# KiCad board Sepic.kicad_pcb
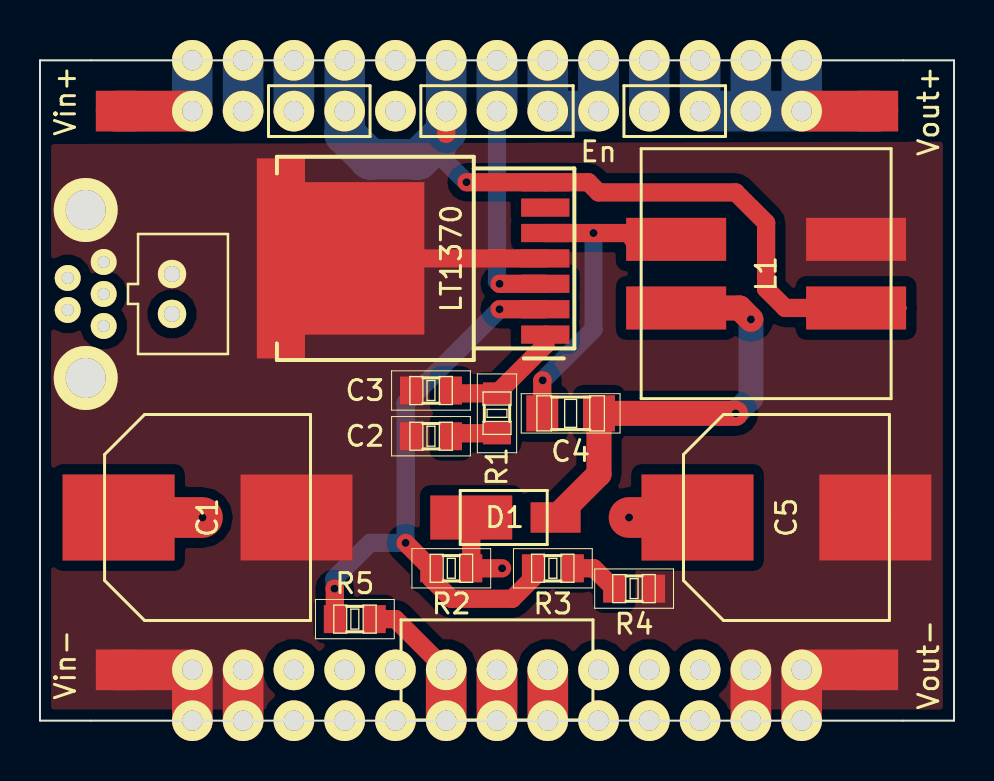
[diagram p0: board, top side]
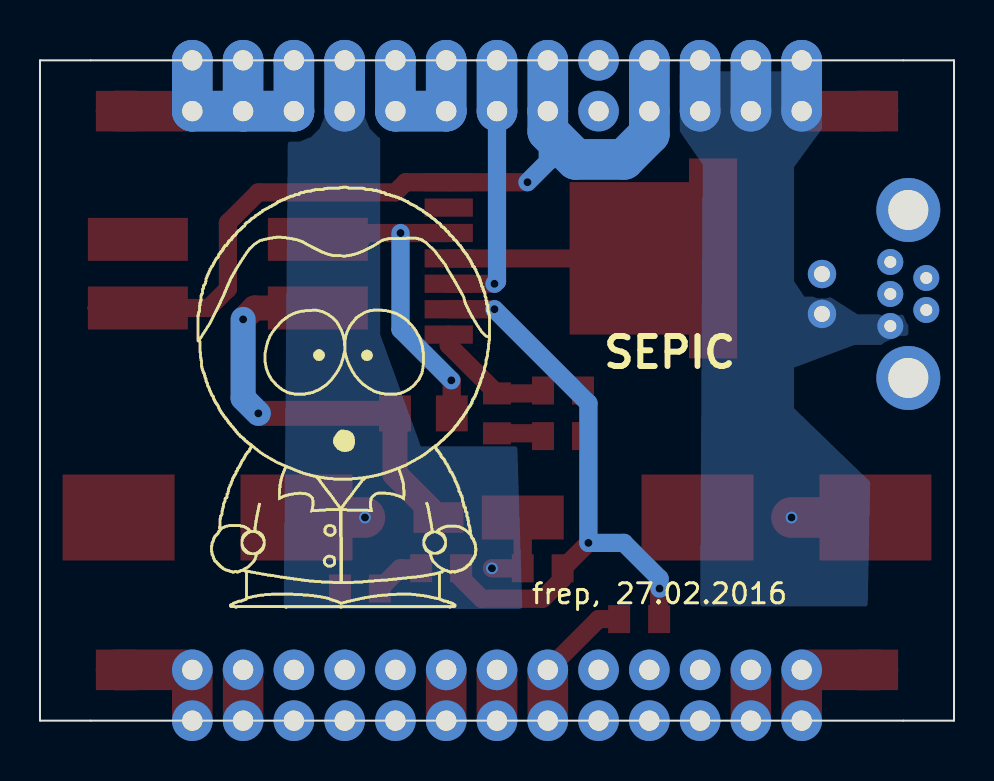
[diagram p1: board, bottom side, seen from below]

Outline 45.72 x 33.02 mm; copper layers: Top, Bottom. Coordinates in mm from the lower left corner of the outline.
Outline path: 0,33.02 45.72,33.02 45.72,0 0,0 0,33.02

## Placement (name value [footprint] x y rotation side)
20K1  POT  [Trimmer]  22.86 2.54 0 top
20K2  POT  [Trimmer]  22.86 0 0 top
C1  100uF  [Cap_Nichicon]  8.38 10.16 90 top
C2  470nF  [C0805]  19.56 14.22 180 top
C3  4n7F  [C0805]  19.56 16.51 180 top
C4  4u7F  [R1206]  26.54 15.37 180 top
C5  100uF  [Cap_Nichicon]  37.34 10.16 90 top
CON1  USB-MINI-B-Vert  [Vertical_USB_Mini_B]  2.29 21.34 0 top
D1  V8PAN50-M3  [DO-221BC]  23.62 10.16 0 top
JP1  JUMPER3  [Pin_Proto_Straight_1x03]  22.86 30.48 180 top
JP2  JUMPER3  [Pin_Proto_Straight_1x03]  22.86 33.02 180 top
L1  22uH  [InductorsCoupled]  36.32 22.35 90 top
LOGO3  -  [LOGO3]  39.75 27.94 180 bottom
P1  V_in+  [SMD_SOLDERPOINT]  3.81 30.48 0 top
P2  GND  [Pin_Proto_Straight_1x01]  7.62 2.54 0 top
P3  JST_In  [JST-PH-2-THM]  6.6 21.34 270 top
P4  V_in+  [Pin_Proto_Straight_1x01]  7.62 30.48 0 top
P5  V_in+  [Pin_Proto_Straight_1x01]  12.7 30.48 0 top
P6  V_in-  [Pin_Proto_Straight_1x01]  15.24 30.48 0 top
P7  V_in+  [Pin_Proto_Straight_1x01]  10.16 30.48 0 top
P8  V_out+  [SMD_SOLDERPOINT]  41.91 30.48 0 top
P9  GND  [SMD_SOLDERPOINT]  41.91 2.54 0 top
P10  V_out+  [Pin_Proto_Straight_1x01]  30.48 30.48 0 top
P11  V_out-  [Pin_Proto_Straight_1x01]  33.02 30.48 0 top
P12  GND  [Pin_Proto_Straight_1x01]  10.16 2.54 0 top
P13  GND  [Pin_Proto_Straight_1x01]  10.16 0 0 top
P14  GND  [SMD_SOLDERPOINT]  3.81 2.54 0 top
P15  V_in+  [Pin_Proto_Straight_1x01]  7.62 33.02 0 top
P16  V_in+  [Pin_Proto_Straight_1x01]  10.16 33.02 0 top
P17  GND  [Pin_Proto_Straight_1x01]  35.56 2.54 0 top
P18  V_in+  [Pin_Proto_Straight_1x01]  12.7 33.02 0 top
P19  V_in-  [Pin_Proto_Straight_1x01]  15.24 33.02 0 top
P20  V_out+  [Pin_Proto_Straight_1x01]  30.48 33.02 0 top
P21  V_out-  [Pin_Proto_Straight_1x01]  35.56 33.02 0 top
P22  V_out+  [Pin_Proto_Straight_1x01]  38.1 33.02 0 top
P23  V_out+  [Pin_Proto_Straight_1x01]  33.02 33.02 0 top
P24  GND  [Pin_Proto_Straight_1x01]  38.1 0 0 top
P25  GND  [Pin_Proto_Straight_1x01]  35.56 0 0 top
P26  V_out+  [Pin_Proto_Straight_1x01]  38.1 30.48 0 top
P27  V_out+  [Pin_Proto_Straight_1x01]  35.56 30.48 0 top
P28  GND  [Pin_Proto_Straight_1x01]  7.62 0 0 top
P29  GND  [Pin_Proto_Straight_1x01]  38.1 2.54 0 top
P30  CONN_3X2  [Pin_Proto_Straight_2x03]  15.24 1.27 0 top
P31  CONN_3X2  [Pin_Proto_Straight_2x03]  30.48 1.27 0 top
P32  CONN_2  [Pin_Proto_Straight_1x02]  27.94 31.75 90 top
P33  CONN_2  [Pin_Proto_Straight_1x02]  17.78 31.75 90 top
R1  2K  [R0805]  22.86 15.37 270 top
R2  10K  [R0805]  20.57 7.62 180 top
R3  10K  [R0805]  25.65 7.62 0 top
R4  10K  [R0805]  29.72 6.6 0 top
R5  330R  [R0805]  15.75 5.08 180 top
U1  -  [LT1370]  19.05 23.11 90 top

## Footprints (pads in the part's own frame, mm; a bottom-side part is the same pattern mirrored in y, then rotated)
C0805
  rect 1.1x1.4 smd: 1(-0.998,0) 2(0.998,0)
Cap_Nichicon
  rect 4.3x5.6 smd: 1(0,4.45) 2(0,-4.45)
DO-221BC
  rect 2.5x1.52 smd: 1(2.17,0)
  rect 4.1x2.2 smd: 2(-2.05,0)
InductorsCoupled
  rect 2.15x5 smd: 1(1.715,4.5) 2(-1.715,4.5) 3(-1.715,-4.5) 4(1.715,-4.5)
JST-PH-2-THM
  round 1.422 hole 0.798: 1(-0.998,0) 2(0.998,0)
LT1370
  rect 0.91x2.41 smd: 1(-3.81,-6.225) 2(-2.54,-6.225) 3(-1.27,-6.225) 4(0,-6.225) 5(1.27,-6.225) 6(2.54,-6.225) 7(3.81,-6.225)
  rect 10x2.41 smd: 8(0,7)
  rect 7.62x6.35 smd: 8(0,3)
Pin_Proto_Straight_1x01
  round 2.032 hole 1.016: 1(0,0)
Pin_Proto_Straight_1x02
  round 2.032 hole 1.016: 1(-1.27,0)
  oval 2.032x2.032 hole 1.016: 2(1.27,0)
Pin_Proto_Straight_1x03
  round 2.032 hole 1.016: 1(-2.54,0) 2(0,0) 3(2.54,0)
Pin_Proto_Straight_2x03
  round 2.032 hole 1.016: 1(-2.54,-1.27) 2(-2.54,1.27) 3(0,-1.27) 4(0,1.27) 5(2.54,-1.27) 6(2.54,1.27)
R0805
  rect 1.1x1.4 smd: 1(-0.998,0) 2(0.998,0)
R1206
  rect 1.598x1.801 smd: 1(-1.42,0) 2(1.42,0)
SMD_SOLDERPOINT
  rect 2.032x2.032 smd: 1(0,0)
Trimmer
  round 2.032 hole 1.016: 1(-2.54,0) 2(0,0) 3(2.54,0)
Vertical_USB_Mini_B
  round 1.3 hole 0.6: 1(0.9,-1.6) 2(-0.9,-0.8) 3(0.9,0) 4(-0.9,0.8) 5(0.9,1.6)
  round 3.2 hole 2: 6(0,4.2) 7(0,-4.2)

## Nets
GND: 20K1.2 20K2.2 C1.2 C2.2 C3.2 C5.2 CON1.5 CON1.6 CON1.7 L1.4 P2.1 P3.1 P9.1 P12.1 P13.1 P14.1 P17.1 P24.1 P25.1 P28.1 P29.1 R4.2 U1.4 U1.8
Net-(20K1-Pad1): 20K1.1 20K2.1 R5.1
Net-(20K1-Pad3): 20K1.3 20K2.3
Net-(C1-Pad1): C1.1 CON1.1 P1.1 P3.2 P4.1 P5.1 P7.1 P15.1 P16.1 P18.1
Net-(C2-Pad1): C2.1 R1.2
Net-(C3-Pad1): C3.1 R1.1 U1.1
Net-(C4-Pad1): C4.1 D1.1 L1.2
Net-(C4-Pad2): C4.2 L1.1 U1.5
Net-(C5-Pad1): C5.1 D1.2 P10.1 P20.1 R2.1
Net-(CON1-Pad2): CON1.2
Net-(CON1-Pad3): CON1.3
Net-(CON1-Pad4): CON1.4
Net-(JP1-Pad1): JP1.1 JP2.1 P32.1 P32.2
Net-(JP1-Pad2): JP1.2 JP2.2 U1.3
Net-(JP1-Pad3): JP1.3 JP2.3 L1.3 P6.1 P19.1 U1.7
Net-(P11-Pad1): P8.1 P11.1 P21.1 P22.1 P23.1 P26.1 P27.1
Net-(P30-Pad1): P30.1
Net-(P30-Pad2): P30.2
Net-(P30-Pad3): P30.3
Net-(P30-Pad4): P30.4
Net-(P30-Pad5): P30.5
Net-(P30-Pad6): P30.6
Net-(P31-Pad1): P31.1
Net-(P31-Pad2): P31.2
Net-(P31-Pad3): P31.3
Net-(P31-Pad4): P31.4
Net-(P31-Pad5): P31.5
Net-(P31-Pad6): P31.6
Net-(P33-Pad1): P33.1
Net-(P33-Pad2): P33.2
Net-(R2-Pad2): R2.2 R3.1 R5.2 U1.2
Net-(R3-Pad2): R3.2 R4.1
Net-(U1-Pad6): U1.6

## Via types
v1: diameter 0.6, hole 0.4, Top to Bottom, 12 vias

## Routing (per net, layer and track width the routed paths; a pad name or vN(x,y) marks a point on that pad's centre or on a via; arc(x,y) is an arc through that point)
GND: length 35.6
  Top w0.25: 40.82,9.45 40.77,9.4
  Top w0.91: U1.8 U1.8 25.28,23.11
  Top w1.25: 42.16,24 42.1,24.07 L1.4 40.83,24.07
  Top w1.598: 40.77,9.4 40.13,9.4
  Top w2.032: P24.1 P29.1 P9.1 ; P12.1 P13.1 ; P28.1 P2.1 P14.1 ; 20K2.2 20K1.2 ; P17.1 P25.1
Net-(20K1-Pad1): length 7.4
  Top w0.25: 20K1.1 20.32,2.79
  Top w0.91: 20K1.1 17.78,5.08 R5.1
  Top w2.032: 20K2.1 20K1.1
Net-(20K1-Pad3): length 2.5
  Top w2.032: 20K2.3 20K1.3
Net-(C1-Pad1): length 16.3
  Top w2.032: C1.1 v1(8.13,10.16) ; 4.95,9.4 5.59,9.4 ; P1.1 P4.1
  Bottom w2.032: P15.1 P4.1 ; P18.1 P5.1 ; P16.1 P7.1
Net-(C2-Pad1): length 2.4
  Top w0.91: C2.1 20.7,14.37 R1.2
Net-(C3-Pad1): length 6.3
  Top w0.91: C3.1 20.7,16.37 R1.1 25.28,18.78 25.28,19.3
Net-(C4-Pad1): length 21.9
  Top w1.25: v1(35.56,20.07) 34.99,20.64 L1.2 ; D1.1 27.96,12.33 C4.1 v1(34.8,15.37)
  Bottom w1.25: v1(34.8,15.37) 35.56,16.13 v1(35.56,20.07)
Net-(C4-Pad2): length 18.9
  Top w0.91: v1(25.15,17.02) 25.12,17 C4.2 ; 29.66,24.07 L1.1 31.5,24.38 v1(27.69,24.38) 25.28,24.38
  Bottom w0.91: v1(25.15,17.02) 27.69,19.56 v1(27.69,24.38)
Net-(C5-Pad1): length 13.6
  Top w0.91: 31.11,8.64 31.87,9.4 ; v1(23.11,7.62) R2.1 D1.2 22.35,10.16 ; C5.1 32.89,11.82
  Top w2.032: C5.1 v1(29.46,10.16)
  Bottom w2.032: P20.1 P10.1
Net-(JP1-Pad1): length 7.6
  Bottom w2.032: JP2.1 JP1.1 P32.1 P32.2
Net-(JP1-Pad2): length 13.5
  Top w0.91: 25.28,21.84 v1(22.99,21.84)
  Bottom w0.91: v1(22.99,21.84) 22.86,21.97 JP1.2
  Bottom w2.032: JP2.2 JP1.2
Net-(JP1-Pad3): length 47.6
  Top w0.25: 41.28,20.59 41.33,20.64 ; 41.33,20.64 43.24,20.64 ; 41.33,20.64 38.55,20.64
  Top w0.91: 20.32,29.34 JP1.3 ; 22.86,26.92 22.73,26.92 ; 22.86,26.92 27.43,26.92 27.94,26.42 34.8,26.42 36.32,24.89 36.32,21.59 37.28,20.64 L1.3 ; 22.86,26.92 v1(21.34,26.92)
  Top w1.25: 40.77,20.59 L1.3
  Top w1.598: 40.77,20.59 L1.3
  Bottom w0.91: v1(21.34,26.92) 20.32,27.94 JP1.3
  Bottom w2.032: P19.1 P6.1 15.24,29.34 16.51,28.07 18.92,28.07 20.32,29.46 JP1.3 JP2.3
Net-(P11-Pad1): length 16.5
  Top w2.032: P26.1 P8.1
  Bottom w2.032: P27.1 P26.1 P22.1 ; P27.1 P21.1 ; P27.1 P11.1 P23.1
Net-(R2-Pad2): length 31
  Top w0.25: R2.2 19.58,7.6
  Top w0.91: R3.1 24.66,7.13 23.62,6.1 20.57,6.1 19.58,7.09 R2.2 19.56,7.62 v1(18.29,8.89) ; v1(14.73,6.6) 14.75,6.59 R5.2 ; 25.28,20.57 v1(22.99,20.57)
  Bottom w0.91: v1(14.73,6.6) 14.73,7.11 16.51,8.89 v1(18.29,8.89) 18.29,15.88 v1(22.99,20.57)
Net-(R3-Pad2): length 2.5
  Top w0.91: R4.1 27.7,7.62 R3.2

## Copper pours and planes (outline as drawn; the poured copper is in the pictures)
GND on Top: -0.89,-6.1 46.86,-5.97 46.74,28.96 -0.89,28.83
Net-(C1-Pad1) on Bottom: 13.72,29.46 12.57,27.81 12.7,5.71 4.32,5.71 4.19,11.94 8,15.62 8,17.65 4.95,18.8 2.29,18.8 2.29,20.32 4.83,20.32 6.22,21.21 7.49,21.21 8,21.97 8,27.69 6.6,29.59 6.6,34.29 13.72,34.29
Net-(C5-Pad1) on Bottom: 33.53,5.59 21.59,5.59 21.84,13.72 26.67,13.72 28.7,19.3 28.7,34.8 33.27,34.8

## Text on the board
B.SilkS: frep, 27.02.2016 | SEPIC
F.SilkS: En | Vin+ | Vin- | Vout+ | Vout-
